# Altium PCB RK_NVR_DEMO1_RK3588_LP4XD200P232SD8_V21_20211228_final_lint.PcbDoc (part 20 of 29) (continued)
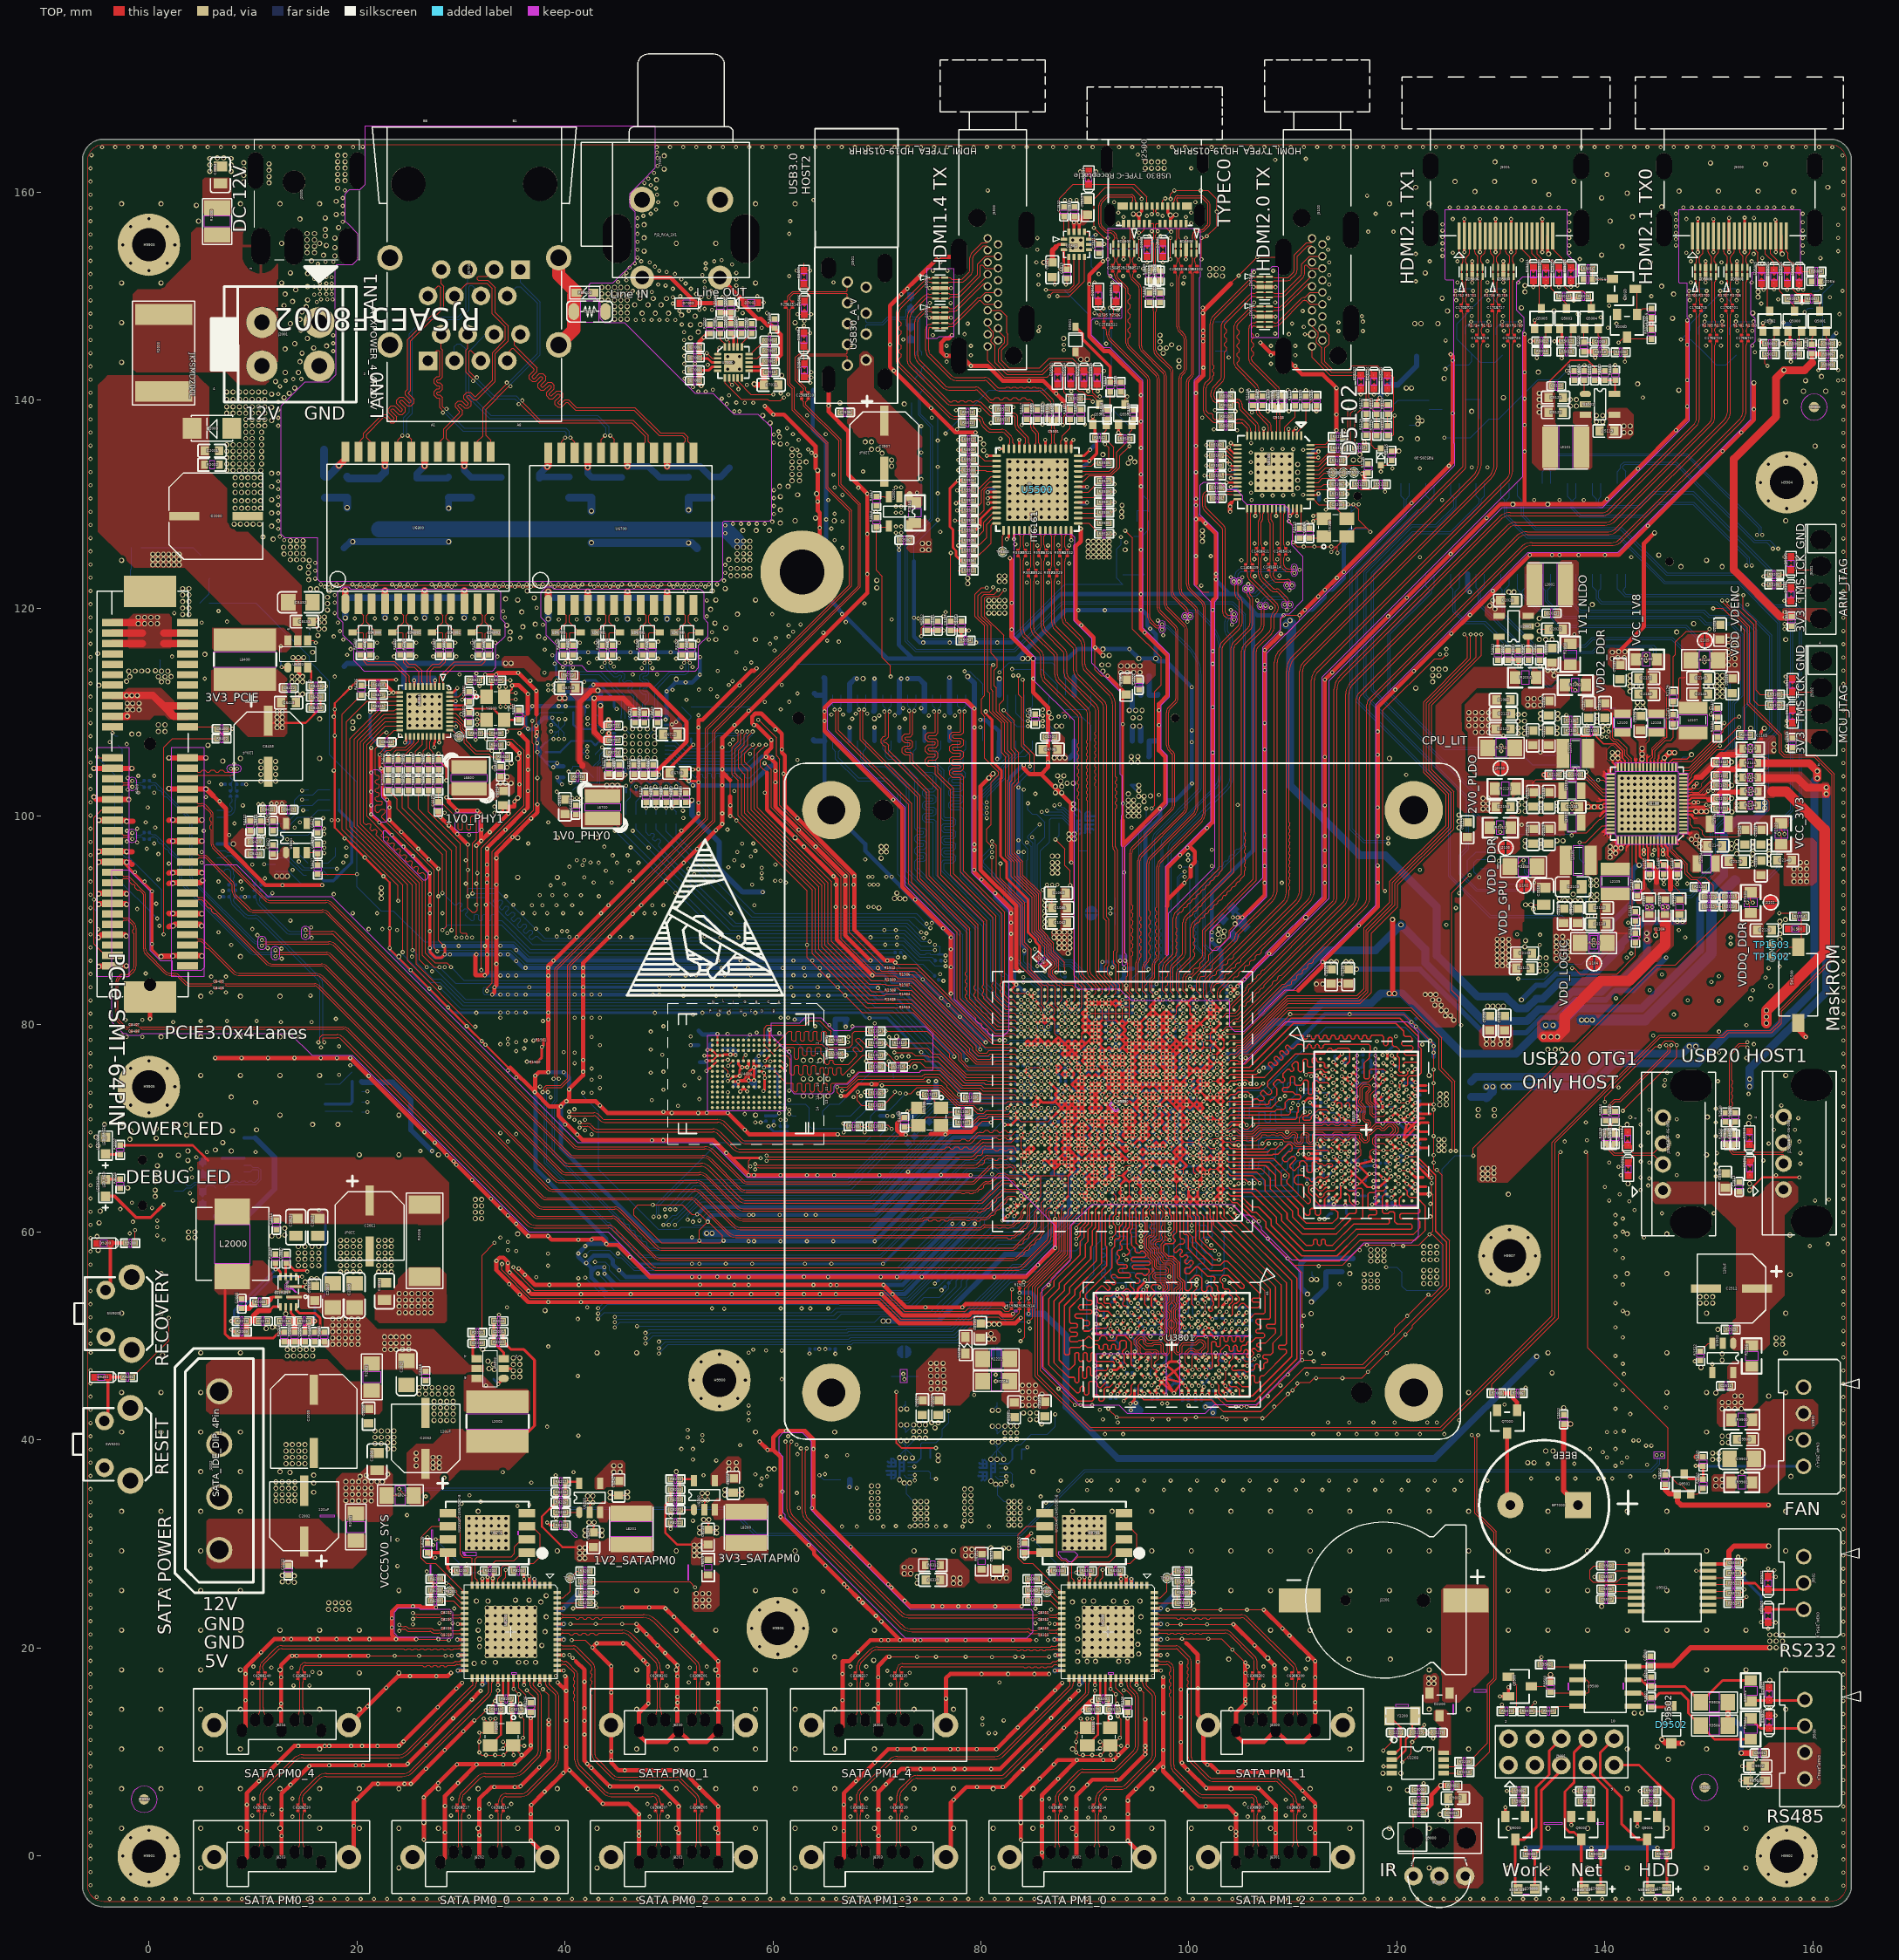
[diagram p0: TOP view]
## Nets (pads, with @x,y where several pads share a name; then routed paths per layer and width w, separated by ;. In a path a pad name is that pad's centre, name@x,y a point inside that pad or via, vN(x,y) a via of type N, cw(c..) or ccw(c..) an arc to the next point about the centre after c; other vN are vias at no path point) (continued)
PCIE30_TX3_P: C8407.2 J8400.B27 | length 14.4
  TOP w0.094: J8400.B27@-3.495,90.6 -2.889,90.6 -2.49,90.201 -2.142,90.201 cw(c-2.142,89.612) -1.726,90.029 -1.43,89.733 cw(c-1.922,89.243) -1.228,89.243 -1.228,85.568 cw(c-1.922,85.568) -1.431,85.078 -1.796,84.713 cw(c-2.142,85.06) -2.142,84.57 -2.549,84.57 ccw(c-2.549,84.325) -2.722,84.498 -2.883,84.337 ccw(c-2.71,84.163) -2.955,84.163 -2.955,80.586 ccw(c-2.672,80.586) -2.872,80.385 -2.313,79.827 ccw(c-2.048,80.092) -2.048,79.717 ccw(c-2.048,80.06) -1.805,79.817 C8407.2@-1.69,79.933
PCIE30X4_CLKREQN_3V3_L: J8400.B12 R8400.2 | length 109
  TOP w0.102: v4(-4.987,105.702) -4.884,105.599 J8400.B12@-3.495,105.599
  L6-S2 w0.102: v4(0.804,90.158) 1.725,91.078 60.494,91.078 63.231,93.815 78.274,93.815 84.878,87.211 v4(85.183,87.211)
  BOTTOM w0.102: v4(-4.987,105.702) -3.26,103.975 -3.26,94.222 v4(0.804,90.158) ; v4(85.183,87.211) 85.183,86.754 R8400.2@85.525,86.412
  other v3: 85.183,87.211 0.804,90.158 -4.987,105.702
  other v12: 85.183,87.211 0.804,90.158
PCIE30X4_CLKREQN_M1_L: R1922.1 R8400.1 U1000.AL26 | length 5.9
  TOP w0.102: v4(86.136,85.089) 86.162,85.115 R1922.1@86.162,85.775 ; v4(87.765,81.681) U1000.AL26@88.091,81.356
  BOTTOM w0.102: R8400.1@86.162,85.775 86.162,85.115 v4(86.136,85.089) 87.317,83.909 87.317,82.69 87.765,82.241 v4(87.765,81.681)
  other v3: 87.765,81.681 86.136,85.089
PCIE30X4_PERSTN_3V3_L: C8400.1 J8400.A11 R8402.2 | length 4.2
  TOP w0.102: J8400.A11@3.705,108.599 6.34,108.599 C8400.1@6.545,108.395 7.445,107.495 R8402.2@7.445,107.455
PCIE30X4_PERSTN_M1_L: R8402.1 U1000.AJ27 | length 118.8
  TOP w0.102: v4(1.414,88.634) 1.414,106.617 2.252,107.455 R8402.1@6.545,107.455 ; U1000.AJ27@87.441,80.056 v4(87.766,79.731)
  L6-S2 w0.089: 87.068,82.837 87.068,81.887 87.075,81.881 87.075,80.365 87.708,79.731 v4(87.766,79.731)
  L6-S2 w0.102: v4(1.414,88.634) 4.868,88.634 5.884,89.65 11.167,89.65 11.879,88.938 13.911,88.938 14.622,89.65 61.155,89.65 63.553,92.048 70.745,92.048 71.391,91.402 78.503,91.402 87.068,82.837
  other v3: 87.766,79.731 1.414,88.634
  other v12: 87.766,79.731 1.414,88.634
PCIE30X4_PRSNT_3V3_L: J8400.B17 J8400.B31 R8403.2 | length 17.8
  TOP w0.102: J8400.B31@-3.495,86.6 -4.172,86.6 -5.267,87.695 v4(-5.267,91.986) -5.267,99.859 -4.527,100.599 J8400.B17@-3.495,100.599
  BOTTOM w0.102: v4(-5.267,91.986) -5.267,91.091 R8403.2@-4.987,90.811
  other v3: -5.267,91.986
PCIE30X4_PRSNT_L_GPIO3_C7: R8403.1 U1000.AJ24 | length 105.9
  TOP w0.102: v4(89.066,79.731) U1000.AJ24@89.391,80.056
  L6-S2 w0.089: 87.754,84.081 87.754,83.534 87.456,83.235 87.456,80.903 87.65,80.709 87.989,80.709 88.091,80.607 88.091,80.189 88.223,80.057 88.527,80.057 88.543,80.041 88.725,79.859 88.853,79.731 v4(89.066,79.731)
  L6-S2 w0.102: v4(-4.885,89.116) -4.809,89.04 1.211,89.04 2.1,89.929 11.269,89.929 11.955,89.243 13.809,89.243 14.495,89.929 60.926,89.929 63.39,92.393 70.807,92.393 71.594,91.605 78.808,91.605 85.335,85.078 85.539,85.078 85.945,85.484 87.266,85.484 87.672,85.078 87.672,84.163 87.754,84.081
  BOTTOM w0.102: R8403.1@-4.987,89.911 -4.987,89.218 v4(-4.885,89.116)
  other v3: 89.066,79.731 -4.885,89.116
  other v12: 89.066,79.731 -4.885,89.116
PCIE30X4_PWREN_H_GPIO3_D5: R8427.1 R8429.1 R8434.1 U1000.AB28 | length 117.5
  TOP w0.102: R8427.1@16.246,94.406 v4(20.007,94.406) ; v4(86.466,75.831) U1000.AB28@86.791,75.506
  L6-S2 w0.089: 82.09,75.375 83.456,75.375 83.583,75.502 83.728,75.502 83.731,75.505 86.14,75.505 v4(86.466,75.831)
  L6-S2 w0.102: v4(72.026,86.424) 72.153,86.297 72.153,82.461 75.969,78.645 75.969,76.867 77.461,75.375 82.09,75.375
  BOTTOM w0.102: R8434.1@5.807,120.494 10.272,120.494 14.193,116.574 R8429.1@14.476,116.574 14.476,116.29 15.423,115.343 15.423,114.916 17.384,112.955 17.384,105.886 20.007,103.264 v4(20.007,94.406) 20.007,93.206 22.302,90.91 23.503,90.91 26.491,87.922 35.095,87.922 36.546,86.472 71.978,86.472 v4(72.026,86.424)
  other v3: 86.466,75.831 72.026,86.424 20.007,94.406
  other v12: 86.466,75.831 72.026,86.424
PCIE30X4_REFCLKN_CON: J8400.A14 R8405.2 R8406.1 | length 7.6
  TOP w0.076: J8400.A14@3.705,103.599 4.391,103.599 4.741,103.95 7.933,103.95 ccw(c7.933,104.368) 8.352,104.368 8.352,104.453 v4(8.465,104.566)
  BOTTOM w0.076: R8405.2@8.453,102.422 8.335,102.539 cw(c8.45,102.654) 8.288,102.654 8.288,102.756 cw(c8.616,102.756) 8.384,102.988 R8406.1@8.457,103.061 cw(c8.79,103.394) 8.319,103.394 8.319,104.213 cw(c8.817,104.213) v4(8.465,104.566)
  other v3: 8.465,104.566
PCIE30X4_REFCLKP_CON: J8400.A13 R8404.2 R8407.1 | length 7.9
  TOP w0.076: J8400.A13@3.705,104.599 4.345,104.599 4.716,104.229 4.944,104.229 5.148,104.432 5.376,104.432 5.579,104.229 5.808,104.229 6.011,104.432 6.24,104.432 6.443,104.229 6.672,104.229 6.875,104.432 7.103,104.432 7.307,104.229 7.933,104.229 ccw(c7.933,104.368) 8.072,104.368 8.072,104.393 v4(7.9,104.566)
  BOTTOM w0.076: R8404.2@7.843,102.422 7.961,102.539 ccw(c7.846,102.654) 8.008,102.654 8.008,102.756 ccw(c7.68,102.756) 7.912,102.988 R8407.1@7.839,103.061 7.895,103.117 ccw(c7.548,103.464) 8.039,103.464 7.836,103.668 7.836,103.896 8.039,104.099 8.039,104.228 ccw(c7.562,104.228) v3@7.9,104.566
  other v3: 7.9,104.566
PCIE30X4_WAKEN_3V3_L: J8400.B11 R8401.2 | length 1.2
  TOP w0.102: v4(-3.506,107.999) -3.506,108.589 J8400.B11@-3.495,108.599
  BOTTOM w0.102: v4(-3.506,107.999) -3.235,107.727 R8401.2@-2.98,107.727
  other v3: -3.506,107.999
PCIE30X4_WAKEN_M1_L: R8401.1 U1000.AJ26 | length 115.7
  TOP w0.102: v4(87.765,80.381) U1000.AJ26@88.091,80.056
  L6-S2 w0.102: v4(1.007,89.446) 1.759,90.198 11.574,90.198 12.224,89.548 13.698,89.548 14.348,90.198 60.763,90.198 63.263,92.698 71.01,92.698 71.315,93.002 78.02,93.002 83.71,87.313 83.71,87.008 85.132,85.586 v4(85.437,85.586)
  BOTTOM w0.089: 86.637,84.081 86.961,83.757 86.961,82.665 87.393,82.233 87.393,80.754 v4(87.765,80.381)
  BOTTOM w0.102: R8401.1@-2.98,106.827 -2.553,106.4 -2.553,96.359 -2.244,96.05 -1.939,96.05 1.211,92.901 1.211,89.65 v4(1.007,89.446) ; v4(85.437,85.586) 85.437,85.281 86.637,84.081
  other v3: 87.765,80.381 85.437,85.586 1.007,89.446
  other v12: 85.437,85.586 1.007,89.446
PHY0_CLKOUT125: R6714.2 U6701.35 | length 3.2
  BOTTOM w0.102: R6714.2@42.75,104.796 43.375,105.421 43.375,105.906 44.241,106.772 U6701.35@44.81,106.772
PHY0_LED0/CFG_EXT: R6716.1 R6717.2 U6701.32 | length 1.8
  TOP w0.102: R6716.1@44.204,106.118 44.213,106.108 v4(44.213,105.572) 44.255,105.53 R6717.2@44.255,104.951
  BOTTOM w0.102: v4(44.213,105.572) U6701.32@44.81,105.572
  other v3: 44.213,105.572
PHY0_LED1/CFG_LDO0: R6720.1 U6701.33 | length 6.8
  BOTTOM w0.102: R6720.1@40.768,102.513 41.112,102.858 43.146,102.858 43.381,103.093 43.381,104.769 43.781,105.169 43.781,105.694 44.059,105.972 U6701.33@44.81,105.972
PHY0_LED2/CFG_LDO1: R6718.1 R6719.2 U6701.34 | length 8.2
  TOP w0.102: v4(40.53,103.171) 40.53,103.181 40.791,103.442 R6719.2@40.791,103.747
  BOTTOM w0.102: R6718.1@40.768,103.719 40.768,103.409 v4(40.53,103.171) 43.054,103.171 43.178,103.296 43.178,104.921 43.578,105.321 43.578,105.796 44.154,106.372 U6701.34@44.81,106.372
  other v3: 40.53,103.171
PHY0_MDI0+: R6700.1 U6701.1 | length 10.2
  TOP w0.076: R6700.1@39.844,115.509 40.151,115.201 40.151,114.887 v4(40.025,114.761)
  BOTTOM w0.076: v4(40.025,114.761) 40.149,114.637 40.149,113.918 40.439,113.627 43.273,113.627 45.457,111.443 45.457,109.759 45.41,109.712 U6701.1@45.41,109.372
  other v3: 40.025,114.761
PHY0_MDI0-: R6701.1 U6701.2 | length 10.3
  TOP w0.076: v4(40.578,114.761) 40.431,114.907 40.431,115.181 R6701.1@40.758,115.509
  BOTTOM w0.076: v4(40.578,114.761) 40.428,114.611 40.428,114.034 40.555,113.907 43.389,113.907 45.737,111.559 45.737,109.785 45.81,109.712 U6701.2@45.81,109.372
  other v3: 40.578,114.761
PHY0_MDI1+: R6703.1 U6701.4 | length 9.1
  TOP w0.076: R6703.1@43.654,115.509 43.961,115.201 43.961,114.887 v4(43.835,114.761)
  BOTTOM w0.076: v4(43.835,114.761) 43.959,114.637 43.959,114.172 44.719,113.411 45.059,113.411 45.241,113.594 45.349,113.594 45.458,113.485 45.458,113.378 45.275,113.195 45.275,112.856 45.547,112.584 45.886,112.584 46.069,112.767 46.176,112.767 46.285,112.658 46.285,112.55 46.102,112.368 46.102,112.028 46.658,111.473 46.658,109.42 U6701.4@46.61,109.372
  other v3: 43.835,114.761
PHY0_MDI1-: R6704.1 U6701.5 | length 9.1
  TOP w0.076: v4(44.388,114.761) 44.241,114.907 44.241,115.181 R6704.1@44.568,115.509
  BOTTOM w0.076: v4(44.388,114.761) 44.238,114.611 44.238,114.288 44.835,113.691 44.943,113.691 45.126,113.874 45.465,113.874 45.737,113.601 45.737,113.262 45.554,113.079 45.554,112.971 45.662,112.863 45.77,112.863 45.953,113.046 46.292,113.046 46.565,112.774 46.565,112.435 46.382,112.252 46.382,112.144 46.937,111.589 46.937,109.446 U6701.5@47.01,109.372
  other v3: 44.388,114.761
PHY0_MDI2+: R6705.1 U6701.6 | length 8
  TOP w0.076: R6705.1@47.464,115.509 47.771,115.201 47.771,114.884 v4(47.645,114.758)
  BOTTOM w0.076: U6701.6@47.41,109.372 47.457,109.42 47.457,110.892 47.794,111.228 47.794,111.653 47.718,111.729 47.475,111.729 47.235,111.969 47.235,112.353 47.475,112.592 47.718,112.592 47.794,112.669 47.794,112.821 47.718,112.897 47.475,112.897 47.235,113.137 47.235,113.521 47.475,113.761 47.718,113.761 47.794,113.837 47.794,114.609 v4(47.645,114.758)
  other v3: 47.645,114.758
PHY0_MDI2-: R6706.1 U6701.7 | length 8
  TOP w0.076: v4(48.198,114.758) 48.051,114.905 48.051,115.181 R6706.1@48.378,115.509
  BOTTOM w0.076: U6701.7@47.81,109.372 47.737,109.446 47.737,110.776 48.074,111.113 48.074,111.768 47.834,112.008 47.591,112.008 47.515,112.084 47.515,112.237 47.591,112.313 47.834,112.313 48.074,112.553 48.074,112.937 47.834,113.177 47.591,113.177 47.515,113.253 47.515,113.405 47.591,113.481 47.834,113.481 48.074,113.721 48.074,114.634 v4(48.198,114.758)
  other v3: 48.198,114.758
PHY0_MDI3+: R6707.1 U6701.9 | length 8.5
  TOP w0.076: R6707.1@51.274,115.509 51.576,115.207 51.576,114.879 v4(51.455,114.758)
  BOTTOM w0.076: U6701.9@48.61,109.372 48.658,109.42 48.658,112.498 50.041,113.881 51.463,113.881 51.63,114.048 51.63,114.583 v4(51.455,114.758)
  other v3: 51.455,114.758
PHY0_MDI3-: R6708.1 U6701.10 | length 8.5
  TOP w0.076: v4(52.008,114.758) 51.856,114.91 51.856,115.176 R6708.1@52.188,115.509
  BOTTOM w0.076: U6701.10@49.01,109.372 48.937,109.446 48.937,112.382 50.156,113.602 51.579,113.602 51.909,113.932 51.909,114.659 v4(52.008,114.758)
  other v3: 52.008,114.758
PHY0_MDI_0+: ED6703.2 R6700.2 U6700.2 | length 5.7
  TOP w0.076: U6700.2@39.665,120.317 39.665,119.776 40.15,119.291 40.15,118.629 39.182,117.661 40.075,117.661 40.177,117.559 40.177,116.742 R6700.2@39.844,116.409
  TOP w0.097: ED6703.2@39.101,117.661 ED6703.2@39.182,117.661
PHY0_MDI_0-: ED6703.1 R6701.2 U6700.3 | length 5.7
  TOP w0.076: R6701.2@40.758,116.409 40.456,116.711 40.456,117.584 40.532,117.661 ED6703.1@41.419,117.661 ; U6700.3@40.935,120.317 40.935,119.776 40.429,119.271 40.429,118.65 ED6703.1@41.419,117.661 ; ED6703.1@41.501,117.661 ED6703.1@41.419,117.661
PHY0_MDI_1+: ED6702.2 R6703.2 U6700.5 | length 5.6
  TOP w0.076: ED6702.2@42.911,117.661 ED6702.2@42.992,117.661 ; U6700.5@43.475,120.317 43.475,119.776 43.96,119.291 43.96,118.629 ED6702.2@42.992,117.661 ; R6703.2@43.654,116.409 43.961,116.716 43.961,117.584 43.885,117.661 ED6702.2@42.992,117.661
PHY0_MDI_1-: ED6702.1 R6704.2 U6700.6 | length 5.7
  TOP w0.076: R6704.2@44.568,116.409 44.241,116.737 44.241,117.569 44.332,117.661 ED6702.1@45.229,117.661 ; U6700.6@44.745,120.317 44.745,119.776 44.239,119.271 44.239,118.65 ED6702.1@45.229,117.661 ; ED6702.1@45.311,117.661 ED6702.1@45.229,117.661
PHY0_MDI_2+: ED6701.2 R6705.2 U6700.8 | length 5.7
  TOP w0.076: ED6701.2@46.721,117.661 ED6701.2@46.802,117.661 ; U6700.8@47.295,120.317 47.295,119.766 47.795,119.266 47.795,118.655 ED6701.2@46.802,117.661 ; R6705.2@47.464,116.409 47.771,116.716 47.771,117.584 47.695,117.661 ED6701.2@46.802,117.661
PHY0_MDI_2-: ED6701.1 R6706.2 U6700.9 | length 5.7
  TOP w0.076: R6706.2@48.378,116.409 48.051,116.737 48.051,117.569 48.142,117.661 ED6701.1@49.039,117.661 ; U6700.9@48.565,120.317 48.565,119.787 48.075,119.296 48.075,118.624 ED6701.1@49.039,117.661 ; ED6701.1@49.121,117.661 ED6701.1@49.039,117.661
PHY0_MDI_3+: ED6700.2 R6707.2 U6700.11 | length 5.6
  TOP w0.076: ED6700.2@50.531,117.661 ED6700.2@50.612,117.661 ; U6700.11@51.105,120.317 51.105,119.766 51.58,119.291 51.58,118.629 ED6700.2@50.612,117.661 ; R6707.2@51.274,116.409 51.581,116.716 51.581,117.584 51.505,117.661 ED6700.2@50.612,117.661
PHY0_MDI_3-: ED6700.1 R6708.2 U6700.12 | length 5.7
  TOP w0.076: R6708.2@52.188,116.409 51.861,116.737 51.861,117.569 51.952,117.661 ED6700.1@52.849,117.661 ; U6700.12@52.37,120.317 52.37,119.782 51.859,119.271 51.859,118.65 ED6700.1@52.849,117.661 ; ED6700.1@52.931,117.661 ED6700.1@52.849,117.661
PHY0_REG_OUT: L6700.1 U6701.30
  other v7: 44.035,102.959 44.543,102.959 45.051,102.959
  other v8: 44.035,102.959 44.543,102.959 45.051,102.959
PHY0_RSTN: C6718.1 R6734.2 R6736.2 U6701.12 | length 4.4
  BOTTOM w0.102: U6701.12@49.61,108.372 51.051,108.372 C6718.1@51.23,108.551 52.13,109.452 R6734.2@52.13,109.536 52.13,109.601 R6736.2@51.23,110.501
PHY0_RXCLK/PHYAD1: R6724.1 R6741.1 U6701.27 | length 4.8
  BOTTOM w0.102: R6741.1@45.88,100.173 R6724.1@45.88,101.412 46.321,101.852 46.321,102.883 46.727,103.289 46.727,104.059 46.61,104.177 U6701.27@46.61,104.572
PHY0_RXD0/RXDLY: R6726.1 R6727.2 R6737.1 U6701.25 | length 5.5
  TOP w0.102: v4(47.811,100.8) R6727.2@47.811,101.328
  BOTTOM w0.102: U6701.25@47.41,104.572 47.41,103.801 48.251,102.959 48.251,101.852 R6726.1@47.811,101.412 v4(47.811,100.8) R6737.1@47.811,100.173
  other v3: 47.811,100.8
PHY0_RXD1/TXDLY: R6728.1 R6729.2 R6738.1 U6701.24 | length 5.9
  TOP w0.102: v4(48.776,100.8) R6729.2@48.776,101.328
  BOTTOM w0.102: U6701.24@47.81,104.572 47.81,103.807 48.407,103.21 48.829,103.21 49.203,102.836 49.203,101.839 R6728.1@48.776,101.412 v4(48.776,100.8) R6738.1@48.776,100.173
  other v3: 48.776,100.8
PHY0_RXD2/PLLOFF: R6731.1 R6732.2 R6739.1 U6701.23 | length 6.6
  TOP w0.102: v4(49.741,100.8) R6732.2@49.741,101.328
  BOTTOM w0.102: U6701.23@48.21,104.572 48.21,103.813 48.593,103.431 49.101,103.431 49.267,103.264 49.852,103.264 50.182,102.934 50.182,101.852 R6731.1@49.741,101.412 v4(49.741,100.8) R6739.1@49.741,100.173
  other v3: 49.741,100.8
PHY0_RXD3/PHYAD0: R6722.1 R6723.2 R6740.1 U6701.22 | length 7.7
  TOP w0.102: v4(50.283,100.8) 50.283,100.826 50.698,101.24 R6723.2@50.698,101.328
  BOTTOM w0.102: U6701.22@48.61,104.572 48.61,103.82 48.796,103.634 50.447,103.634 51.134,102.947 51.134,101.839 R6722.1@50.706,101.412 50.706,101.248 50.283,100.826 v4(50.283,100.8) 50.309,100.8 50.706,100.403 R6740.1@50.706,100.173
  other v3: 50.283,100.8
PHY0_RXDV/PHYAD2: R6725.1 R6742.1 U6701.26 | length 4.7
  BOTTOM w0.102: R6742.1@46.845,100.173 R6725.1@46.845,101.412 47.337,101.903 47.337,103.162 47.032,103.467 47.032,104.55 U6701.26@47.01,104.572
PHY0_XTALIN: C6701.1 R6702.1 U6701.36 Y6700.3 | length 7.4
  BOTTOM w0.203: R6702.1@38.159,106.172 Y6700.3@39.551,106.172 40.605,107.226 42.526,107.226 C6701.1@42.933,106.819 43.286,107.172 U6701.36@44.81,107.172
PHY0_XTALOUT: C6700.1 R6709.2 U6701.37 Y6700.1 | length 5.7
  BOTTOM w0.203: R6709.2@40.791,109.961 40.791,108.831 Y6700.1@41.25,108.372 42.499,108.372 C6700.1@42.933,107.938 43.341,107.531 44.391,107.531 44.432,107.572 U6701.37@44.81,107.572
PHY1_CLKOUT125: R6814.2 U6801.35 | length 3.1
  TOP w0.102: U6801.35@28.909,109.871 29.477,109.871 30.344,109.004 30.344,108.57 R6814.2@30.969,107.946
PHY1_LED0/CFG_EXT: R6816.1 R6817.2 U6801.32 | length 1.9
  TOP w0.102: U6801.32@28.909,108.671 29.458,108.671 v4(29.532,108.598)
  BOTTOM w0.102: R6817.2@29.464,108.05 29.464,108.531 v4(29.532,108.598) 29.515,108.614 R6816.1@29.515,109.216
  other v3: 29.532,108.598
PHY1_LED1/CFG_LDO0: R6820.1 U6801.33 | length 6.8
  TOP w0.102: U6801.33@28.909,109.071 29.566,109.071 29.938,108.7 29.938,108.351 30.338,107.951 30.338,107.055 31.386,106.007 32.658,106.007 32.962,105.702 R6820.1@33.577,105.702
PHY1_LED2/CFG_LDO1: R6818.1 R6819.2 U6801.34 | length 7.2
  TOP w0.102: U6801.34@28.909,109.471 29.471,109.471 30.141,108.801 30.141,108.436 30.541,108.035 30.541,107.245 30.969,106.818 30.969,106.754 31.462,106.261 32.815,106.261 32.85,106.296 v4(32.951,106.296) R6818.1@32.951,106.843
  BOTTOM w0.102: R6819.2@32.928,106.845 32.928,106.421 32.951,106.397 v4(32.951,106.296)
  other v3: 32.951,106.296
PHY1_MDI0+: R6808.1 U6801.1 | length 6.4
  TOP w0.076: U6801.1@28.309,112.471 28.309,112.837 28.233,112.913 28.233,113.299 29.473,114.539 31.993,114.539 32.348,114.894 32.348,115.176 R6808.1@32.681,115.509
PHY1_MDI0-: R6807.1 U6801.2 | length 6.4
  TOP w0.076: U6801.2@27.909,112.471 27.909,112.837 27.954,112.882 27.954,113.415 29.357,114.818 31.877,114.818 32.069,115.01 32.069,115.207 R6807.1@31.767,115.509
PHY1_MDI1+: R6806.1 U6801.4 | length 4.2
  TOP w0.076: U6801.4@27.109,112.471 27.109,112.837 27.038,112.908 27.038,113.939 27.438,114.338 28.033,114.338 28.538,114.844 28.538,115.176 R6806.1@28.871,115.509
PHY1_MDI1-: R6805.1 U6801.5 | length 4.2
  TOP w0.076: U6801.5@26.709,112.471 26.709,112.837 26.759,112.887 26.759,114.055 27.322,114.618 27.917,114.618 28.259,114.96 28.259,115.207 R6805.1@27.957,115.509
PHY1_MDI2+: R6804.1 U6801.6 | length 4.2
  TOP w0.076: R6804.1@25.061,115.509 24.759,115.207 24.759,114.858 24.994,114.623 25.604,114.623 26.239,113.988 26.239,112.908 26.309,112.837 U6801.6@26.309,112.471
PHY1_MDI2-: R6803.1 U6801.7 | length 4.2
  TOP w0.076: R6803.1@24.147,115.509 24.48,115.176 24.48,114.742 24.878,114.343 25.488,114.343 25.959,113.872 25.959,112.887 25.909,112.837 U6801.7@25.909,112.471
PHY1_MDI3+: R6801.1 U6801.9 | length 6.4
  TOP w0.076: R6801.1@21.251,115.509 20.949,115.207 20.949,114.981 21.053,114.877 23.634,114.877 25.039,113.472 25.039,112.908 25.109,112.837 U6801.9@25.109,112.471
PHY1_MDI3-: R6800.1 U6801.10 | length 6.4
  TOP w0.076: R6800.1@20.337,115.509 20.67,115.176 20.67,114.865 20.937,114.597 23.518,114.597 24.759,113.356 24.759,112.887 24.709,112.837 U6801.10@24.709,112.471
PHY1_MDI_0+: ED6803.2 R6808.2 U6800.12 | length 5.8
  TOP w0.076: R6808.2@32.681,116.409 32.354,116.737 32.354,117.569 32.445,117.661 33.341,117.661 32.352,118.65 32.352,119.271 32.863,119.782 U6800.12@32.863,120.419
  TOP w0.097: ED6803.2@33.341,117.661 ED6803.2@33.424,117.661
PHY1_MDI_0-: ED6803.1 R6807.2 U6800.11 | length 5.7
  TOP w0.076: U6800.11@31.598,120.419 31.598,119.766 32.073,119.291 32.073,118.629 31.104,117.661 31.998,117.661 32.074,117.584 32.074,116.716 R6807.2@31.767,116.409
  TOP w0.097: ED6803.1@31.024,117.661 ED6803.1@31.104,117.661
PHY1_MDI_1+: ED6802.2 R6806.2 U6800.9 | length 5.8
  TOP w0.076: R6806.2@28.871,116.409 28.544,116.737 28.544,117.569 28.635,117.661 29.531,117.661 28.568,118.624 28.568,119.296 29.058,119.787 U6800.9@29.058,120.419
  TOP w0.097: ED6802.2@29.531,117.661 ED6802.2@29.614,117.661
PHY1_MDI_1-: ED6802.1 R6805.2 U6800.8 | length 5.8
  TOP w0.076: U6800.8@27.788,120.419 27.788,119.766 28.288,119.266 28.288,118.655 27.294,117.661 28.188,117.661 28.264,117.584 28.264,116.716 R6805.2@27.957,116.409
  TOP w0.097: ED6802.1@27.214,117.661 ED6802.1@27.294,117.661
PHY1_MDI_2+: ED6801.2 R6804.2 U6800.6 | length 5.8
  TOP w0.076: R6804.2@25.061,116.409 24.734,116.737 24.734,117.569 24.825,117.661 25.721,117.661 24.756,118.626 24.756,119.295 25.238,119.776 U6800.6@25.238,120.419
  TOP w0.097: ED6801.2@25.721,117.661 ED6801.2@25.804,117.661
PHY1_MDI_2-: ED6801.1 R6803.2 U6800.5 | length 5.8
  TOP w0.076: U6800.5@23.968,120.419 23.968,119.776 24.477,119.267 24.477,118.654 23.484,117.661 24.378,117.661 24.454,117.584 24.454,116.716 R6803.2@24.147,116.409
  TOP w0.097: ED6801.1@23.404,117.661 ED6801.1@23.484,117.661
PHY1_MDI_3+: ED6800.2 R6801.2 U6800.3 | length 5.8
  TOP w0.076: R6801.2@21.251,116.409 20.924,116.737 20.924,117.569 21.015,117.661 21.911,117.661 20.921,118.651 20.921,119.27 21.428,119.776 U6800.3@21.428,120.419
  TOP w0.097: ED6800.2@21.911,117.661 ED6800.2@21.994,117.661
PHY1_MDI_3-: ED6800.1 R6800.2 U6800.2 | length 5.7
  TOP w0.076: U6800.2@20.158,120.419 20.158,119.776 20.642,119.293 20.642,118.628 19.674,117.661 20.568,117.661 20.644,117.584 20.644,116.716 R6800.2@20.337,116.409
  TOP w0.097: ED6800.1@19.594,117.661 ED6800.1@19.674,117.661
PHY1_REG_OUT: L6800.1 U6801.30
PHY1_RSTN: C6817.1 R6834.2 R6836.2 U6801.12 | length 4.3
  TOP w0.102: R6836.2@20.413,112.553 20.494,112.635 R6834.2@21.589,112.635 21.589,112.55 C6817.1@22.489,111.65 22.668,111.471 U6801.12@24.109,111.471
PHY1_RXCLK/PHYAD1: R6823.1 R6824.2 R6841.1 U6801.27 | length 5.2
  TOP w0.102: U6801.27@27.109,107.671 27.109,107.275 26.992,107.158 26.992,106.439 27.398,106.033 27.398,105.014 27.839,104.573 R6823.1@27.839,104.485 v4(27.839,103.924) R6841.1@27.839,103.373
  BOTTOM w0.102: R6824.2@27.796,104.454 27.796,103.967 v4(27.839,103.924)
  other v3: 27.839,103.924
PHY1_RXD0/RXDLY: R6826.1 R6827.2 R6837.1 U6801.25 | length 5.4
  TOP w0.102: R6837.1@25.908,103.373 v4(25.908,103.924) R6826.1@25.908,104.485 25.468,104.926 25.468,105.728 25.645,105.906 25.645,106.236 26.309,106.899 U6801.25@26.309,107.671
  BOTTOM w0.102: v4(25.908,103.924) R6827.2@25.908,104.46
  other v3: 25.908,103.924
PHY1_RXD1/TXDLY: R6828.1 R6829.2 R6838.1 U6801.24 | length 5.6
  TOP w0.102: R6838.1@24.943,103.373 v4(24.943,103.924) R6828.1@24.943,104.485 24.452,104.977 24.452,105.728 25.909,107.185 U6801.24@25.909,107.671
  BOTTOM w0.102: v4(24.943,103.924) R6829.2@24.943,104.46
  other v3: 24.943,103.924
PHY1_RXD2/PLLOFF: R6831.1 R6832.2 R6839.1 U6801.23 | length 6.4
  TOP w0.102: R6839.1@23.978,103.373 v4(23.978,103.924) R6831.1@23.978,104.485 23.537,104.926 23.537,106.134 23.766,106.363 24.782,106.363 25.509,107.09 U6801.23@25.509,107.671
  BOTTOM w0.102: v4(23.978,103.924) R6832.2@23.978,104.46
  other v3: 23.978,103.924
PHY1_RXD3/PHYAD0: R6822.2 R6840.1 U6801.22 | length 6.4
  TOP w0.102: R6840.1@23.013,103.373 R6822.2@23.013,104.485 22.585,104.913 22.585,106.02 22.877,106.312 23.258,106.312 23.563,106.617 24.68,106.617 25.109,107.046 U6801.22@25.109,107.671
PHY1_RXDV/PHYAD2: R6825.1 R6842.1 U6801.26 | length 4.6
  TOP w0.102: U6801.26@26.709,107.671 26.709,106.588 26.382,106.261 26.382,104.977 R6825.1@26.873,104.485 R6842.1@26.873,103.373
PHY1_XTALIN: C6800.1 R6802.1 U6801.36 Y6800.3 | length 7.4
  TOP w0.203: U6801.36@28.909,110.271 30.433,110.271 C6800.1@30.786,109.918 31.193,110.325 33.114,110.325 Y6800.3@34.168,109.271 R6802.1@35.56,109.271
PHY1_XTALOUT: C6801.1 R6809.2 U6801.37 Y6800.1 | length 5.7
  TOP w0.203: U6801.37@28.909,110.671 29.287,110.671 29.316,110.643 30.391,110.643 C6801.1@30.786,111.037 31.22,111.471 Y6800.1@32.469,111.471 32.928,111.93 R6809.2@32.928,113.06
PI6C_05_CLK0N: R8405.1 U8400.19 | length 3.4
  BOTTOM w0.076: U8400.19@6.564,99.926 7.355,99.926 7.54,100.111 7.713,100.111 ccw(c7.713,100.636) 8.084,100.264 8.128,100.309 ccw(c7.743,100.694) 8.288,100.694 8.288,101.537 cw(c8.818,101.537) 8.443,101.912 R8405.1@8.453,101.922
PI6C_05_CLK0P: R8404.1 U8400.20 | length 3.1
  BOTTOM w0.076: U8400.20@6.564,100.576 7.355,100.576 7.54,100.39 7.713,100.39 ccw(c7.713,100.635) 7.886,100.462 7.931,100.506 ccw(c7.743,100.694) 8.008,100.694 8.008,100.787 7.805,100.99 7.805,101.194 8.008,101.397 8.008,101.537 ccw(c7.478,101.537) 7.853,101.912 R8404.1@7.843,101.922
PI6C_05_CLK2N: R8416.1 U8400.13 | length 5.3
  BOTTOM w0.076: U8400.13@6.564,96.025 7.355,96.025 7.54,96.211 7.876,96.211 cw(c7.876,96.01) 8.018,96.152 10.253,93.917 cw(c10.069,93.733) 10.329,93.733 cw(c9.906,93.733) 10.205,93.433 R8416.1@10.151,93.38
PI6C_05_CLK2P: R8415.1 U8400.14 | length 5.8
  BOTTOM w0.076: U8400.14@6.564,96.675 7.355,96.675 7.54,96.49 7.876,96.49 cw(c7.876,96.01) 8.215,96.35 10.451,94.114 cw(c10.069,93.733) 10.609,93.733 ccw(c11.032,93.733) 10.733,93.433 R8415.1@10.786,93.38
PI6C_05_CLK3N: R8424.1 U8400.11 | length 2.8
  BOTTOM w0.076: U8400.11@6.564,94.725 7.201,94.725 7.386,94.911 7.546,94.911 cw(c7.546,94.664) 7.72,94.839 7.822,94.737 cw(c7.695,94.61) 7.875,94.61 7.875,93.809 cw(c7.267,93.809) R8424.1@7.697,93.38
PI6C_05_CLK3P: R8423.1 U8400.12 | length 3.3
  BOTTOM w0.076: U8400.12@6.564,95.375 7.169,95.375 7.354,95.19 7.546,95.19 cw(c7.546,94.664) 7.918,95.036 8.02,94.935 cw(c7.695,94.61) 8.154,94.61 8.154,94.425 8.221,94.358 8.221,94.12 8.154,94.053 8.154,93.809 ccw(c8.761,93.809) R8423.1@8.332,93.38
PI6C_05_OE: R8417.2 U8400.8 | length 3.7
  BOTTOM w0.102: U8400.8@12.164,96.025 13.123,96.025 14.829,94.319 R8417.2@15.162,94.319
PI6C_05_PDN: R8420.2 U8400.7 | length 6
  BOTTOM w0.102: U8400.7@12.164,96.675 12.879,96.675 14.723,94.831 16.687,94.831 R8420.2@17.199,94.319
PI6C_05_S0: R8410.2 R8411.1 U8400.2 | length 6.9
  BOTTOM w0.102: U8400.2@12.164,99.926 13.315,99.926 14.012,100.623 14.012,101.537 14.52,102.045 15.763,102.045 R8411.1@16.271,102.553 R8410.2@17.397,102.553
PI6C_05_S1: R8412.2 R8413.1 U8400.3 | length 6.4
  BOTTOM w0.102: U8400.3@12.164,99.276 13.173,99.276 14.317,100.419 14.317,100.724 14.622,101.029 15.712,101.029 R8413.1@16.271,101.588 R8412.2@17.397,101.588
PI6C_05_S2: R8408.2 R8409.1 U8400.4 | length 6
  BOTTOM w0.102: U8400.4@12.164,98.626 13.031,98.626 14.317,99.911 15.619,99.911 R8409.1@16.271,100.563 R8408.2@17.397,100.563
PMIC1_FB6: C2101.2 R2101.1 R2103.2 U2100.31 | length 7.1
  TOP w0.102: v4(140.352,108.141) 140.542,107.95 140.542,107.46 140.826,107.176 141.089,107.176 141.927,106.338 141.927,105.804 142.288,105.442 U2100.31@142.288,104.703
  BOTTOM w0.152: C2101.2@139.964,109.454 R2103.2@140.948,109.454 R2101.1@140.948,108.388 140.701,108.141 v4(140.352,108.141)
  other v3: 140.352,108.141
PMIC1_FB9: C2137.2 R2125.2 R2126.1 U2100.66 | length 8.2
  TOP w0.102: U2100.66@146.138,97.703 146.138,97.223 146.285,97.077 146.285,96.705 147.164,95.827 147.189,95.827 147.718,95.298 147.718,94.468 148.269,93.917 148.842,93.917 R2126.1@149.554,93.206 C2137.2@149.554,92.24 R2125.2@149.554,91.301
PMIC1_SW1: L2101.1 U2100.50 U2100.51 | length 3.3
  TOP w0.152: 139.92,98.159 U2100.51@140.164,98.403 ; 139.92,98.463 U2100.50@140.209,98.753 ; 139.92,98.667 140.006,98.753 140.057,98.753 ; 140.225,98.057 140.225,98.25 U2100.51@140.377,98.403
  TOP w0.203: 139.793,98.489 140.057,98.753 140.209,98.753 U2100.50@140.538,98.753 ; 139.92,98.463 139.981,98.403 140.164,98.403 140.377,98.403 U2100.51@140.538,98.403 140.538,98.066 140.428,97.955
PMIC1_SW2: L2103.1 U2100.35 U2100.36 | length 3.1
  TOP w0.152: 139.92,103.848 140.075,104.003 ; 140.53,104.458 140.538,104.449 140.538,104.416
  TOP w0.203: 139.818,103.848 139.869,103.848 140.064,103.653 U2100.36@140.538,103.653 ; 139.92,104.051 139.968,104.003 140.075,104.003 U2100.35@140.172,104.003 ; 139.92,104.255 U2100.35@140.172,104.003 ; 140.326,104.458 140.326,104.215 U2100.35@140.538,104.003 ; 140.606,104.483 140.538,104.416 U2100.35@140.538,104.003 ; U2100.35@140.172,104.003 U2100.35@140.538,104.003
PMIC1_SW3: L2105.1 U2100.55 | length 1.6
  TOP w0.152: 142.054,96.635 142.054,96.939 ; 142.288,97.174 142.054,96.939 ; 142.288,97.276 142.054,97.041 142.054,96.939
  TOP w0.203: 142.288,97.174 142.288,97.276 U2100.55@142.288,97.703
PMIC1_SW4: L2107.1 U2100.23 | length 1.2
  TOP w0.152: 145.088,105.398 145.088,105.474 145.165,105.551 145.165,105.842 145.178,105.855
  TOP w0.203: U2100.23@145.088,104.703 145.088,105.398
PMIC1_SW5: L2102.2 U2100.45 | length 1.7
  TOP w0.152: 139.615,100.292 139.826,100.503 140.029,100.503
  TOP w0.203: 139.514,99.987 140.029,100.503 U2100.45@140.538,100.503
PMIC1_SW6: L2100.2 U2100.29 | length 1.3
  TOP w0.152: 142.841,105.601 142.841,105.342 142.988,105.194
  TOP w0.203: 142.943,105.398 142.988,105.352 ; U2100.29@142.988,104.703 142.988,105.194 142.988,105.352 ; 143.07,105.474 142.988,105.392 142.988,105.352
PMIC1_SW7: L2109.1 U2100.42 | length 1.8
  TOP w0.152: 139.209,101.41 139.615,101.41 139.758,101.553 ; 139.412,101.715 139.574,101.553
  TOP w0.203: 139.574,101.553 139.758,101.553 U2100.42@140.538,101.553
PMIC1_SW8: L2106.2 U2100.6 | length 1.8
  TOP w0.152: 148.556,99.784 148.861,99.784
  TOP w0.203: U2100.6@147.538,100.153 148.187,100.153 ; 148.454,100.089 148.391,100.153 148.187,100.153 ; 148.556,99.784 148.187,100.153
PMIC1_SW9: L2104.2 U2100.68 | length 0.8
  TOP w0.203: 147.032,97.295 146.838,97.489 U2100.68@146.838,97.703 147.081,97.703 147.134,97.651
PMIC1_SW10: L2108.2 U2100.26 | length 1.6
  TOP w0.152: 144.086,105.88 144.038,105.833 144.038,105.528 144.289,105.779
  TOP w0.203: U2100.26@144.038,104.703 144.038,105.528